# KiCad board DG Nova CPU Tester.kicad_pcb (continued)
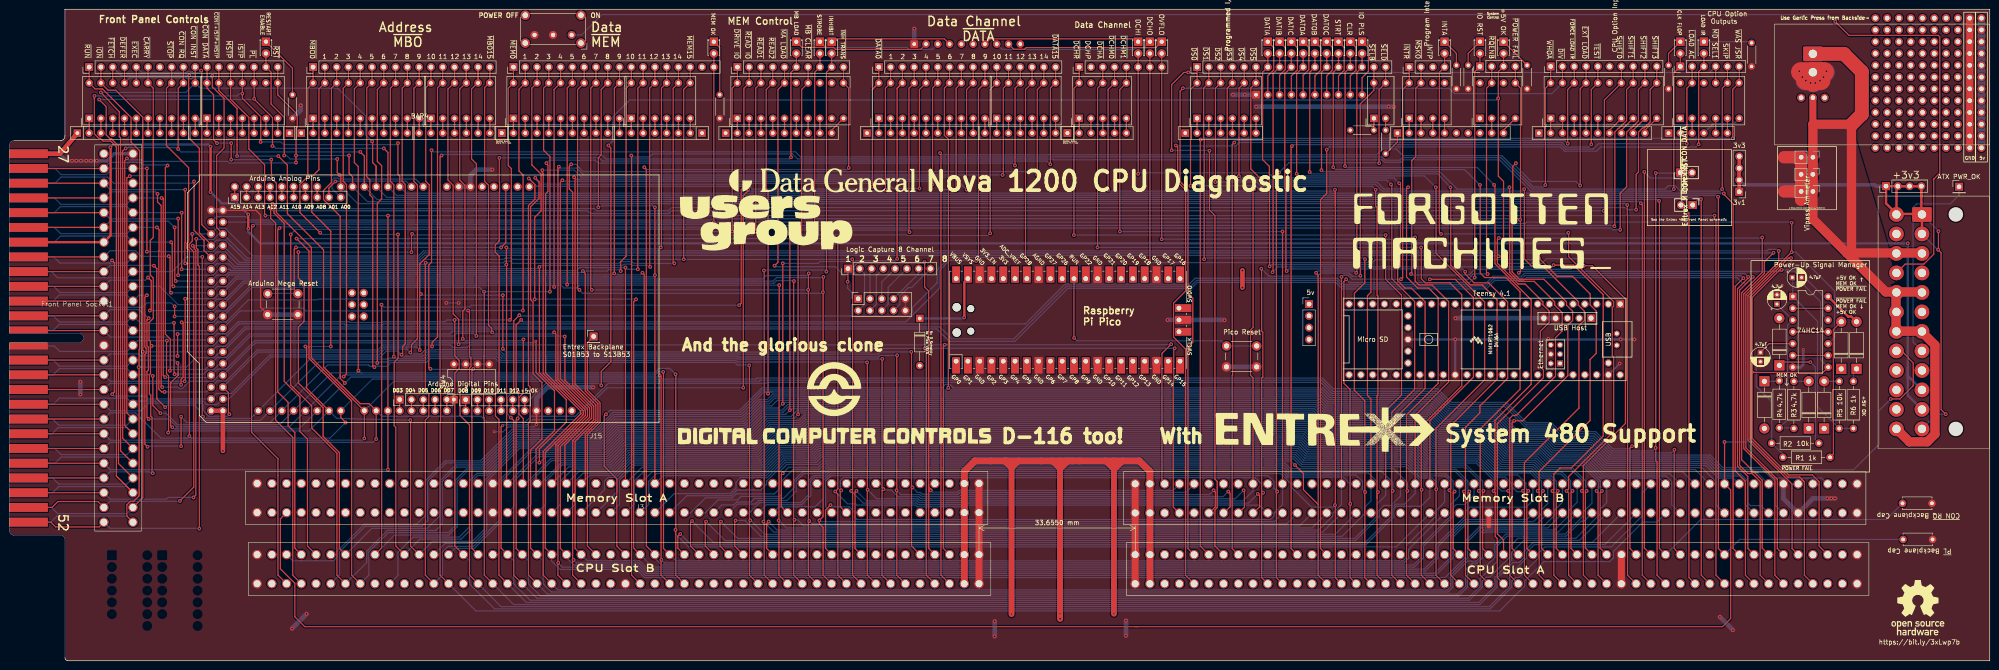
[diagram p0: board, top side]
## Routing (per net, layer and track width the routed paths; a pad name or vN(x,y) marks a point on that pad's centre or on a via; arc(x,y) is an arc through that point) (continued)
  Bottom w0.25: 379.16,38.02 376.49,40.7 368.87,40.7 366.16,43.41 344.61,43.41 340.97,47.05 333.4,47.05 331.42,49.02 324.35,49.02 320.44,52.93 309.65,52.93 306.79,55.8 284.17,55.8 282.52,57.45 164.53,57.45 163.33,56.24 161.58,56.24 157.92,52.58 130.43,52.58 126.79,48.95 108.72,48.95 101.95,42.18 96.25,42.18 92.83,38.76 92.83,31.28 90.06,28.51 78.11,28.51 J3.87 ; v1(86.68,88.01) v1(62.3,88.01) ; v1(86.81,91.95) 87.02,91.73 160.12,91.73 v1(160.85,92.46)
~{READ2}: length 424.7
  Top w0.25: v1(163.51,57.53) 163.51,101.31 163.12,101.71 163.12,123.05 BAR7.17 J18.4
  Bottom w0.25: 164.4,57.9 163.88,57.9 v1(163.51,57.53) 163.15,57.9 162.88,57.9 ; 164.4,57.9 162.88,57.9 ; 164.4,57.9 282.71,57.9 284.36,56.25 306.97,56.25 309.84,53.38 320.62,53.38 324.53,49.47 331.61,49.47 333.59,47.5 341.16,47.5 344.79,43.86 366.35,43.86 369.06,41.14 377.91,41.14 380.49,38.57 380.49,33.6 382.33,31.75 ; 162.88,57.9 162.6,57.9 157.73,53.03 130.24,53.03 126.61,49.4 108.54,49.4 101.77,42.63 94.16,42.63 90.18,38.65 90.18,30.23 88.92,28.96 76.69,28.96 71.13,23.41 71.13,18.44 J3.90
~{READ IO}: length 505.2
  Top w0.25: v1(157.29,76.58) 157.73,77.02 157.73,101.53 158.31,102.11 158.31,123.32 BAR7.19 J18.2 ; J3.83 80.25,24.3 80.25,76.66 v1(80.2,76.71) 80.25,76.75
  Bottom w0.25: v1(157.29,76.58) 99.59,76.58 99.17,76.16 80.75,76.16 v1(80.2,76.71) ; 372.81,38.02 371.49,39.34 368.3,39.34 365.58,42.06 344.05,42.06 340.41,45.7 332.84,45.7 330.86,47.67 323.79,47.67 319.88,51.58 309.1,51.58 306.23,54.45 283.61,54.45 281.96,56.1 165.51,56.1 164.3,54.89 162.14,54.89 158.38,51.13 130.88,51.13 127.35,47.6 109.28,47.6 102.51,40.83 98.71,40.83 96.53,38.65 96.53,28.88 94.72,27.07 83.02,27.07 J3.83
~{RQENB}: length 289.3
  Top w0.25: J3.41 144.08,24.26 144.08,26.79 v1(144.59,27.31) ; v1(318.58,83.31) 318.34,83.55 318.34,123.34 BAR14.19 J14.2 ; v1(306.13,82.17) 311.6,82.17 315.53,78.23 315.53,61.09 306.13,51.69 306.13,38.02
  Bottom w0.25: 306.13,38.02 306.13,35.18 304.23,33.27 298.85,33.27 298.38,32.81 298.38,31.01 292.36,24.99 146.91,24.99 v1(144.59,27.31) ; 318.45,83.31 v1(318.58,83.31) 315.52,83.31 314.38,82.17 v1(306.13,82.17)
~{RST}: length 524.3
  Top w0.25: 74.36,102.49 73.98,102.11 73.98,104.27 73.22,105.03 v1(73.22,108.84) 73.22,108.71 ; 61.8,108.82 v1(61.79,108.84) ; v1(61.79,108.84) v1(61.79,107.31) ; v1(61.79,108.84) 61.8,108.86 61.8,114.61 62.05,114.86 62.05,117.72 57.85,121.92 BAR2.14 J9.17 ; v1(25.34,108.2) 24.88,107.75 24.88,50.67 Front Panel Socket1.20 ; v1(351.6,98.55) 351.91,98.24 351.91,18.43 J2.30
  Bottom w0.25: v1(73.22,108.84) v1(61.79,108.84) ; J5.20 9.21,48.89 10.53,50.22 25.33,50.22 Front Panel Socket1.20 ; v1(25.34,108.2) 25.65,107.9 28.44,107.9 28.77,107.57 47.17,107.57 47.52,107.22 61.7,107.22 v1(61.79,107.31) ; 73.98,102.11 77.18,98.91 351.24,98.91 v1(351.6,98.55)
~{RUN}: length 560.1
  Top w0.25: J2.14 377.31,18.43 377.31,38.61 375.59,40.32 374.65,40.32 372.88,42.1 372.88,79.82 375.73,82.67 v1(375.73,82.68) ; Front Panel Socket1.26 25.33,31.17 25.33,33.57 26.11,34.34 26.79,34.34 27.98,35.53 27.98,63.14 v1(27.88,63.25) 27.98,63.35 27.98,67.06 28.09,67.17 28.09,109.86 26.24,111.7 26.24,117.02 20.07,123.19 18.48,123.19 BAR1.20 J9.1
  Bottom w0.25: Front Panel Socket1.26 25.33,31.17 10.28,31.17 8.96,29.84 J5.26 ; v1(27.88,63.25) 38.16,63.25 40.2,65.28 44.13,65.28 45.4,66.55 46.04,66.55 50.95,71.46 199.89,71.46 202.55,68.81 216.7,68.81 228.13,80.23 254.8,80.23 256.06,81.49 285.86,81.49 287.25,80.09 318.29,80.09 320.13,81.94 326.38,81.94 326.96,82.53 372.32,82.53 373.57,81.28 374.34,81.28 375.73,82.67 v1(375.73,82.68) 375.73,82.8
~{SELB}: length 239.2
  Top w0.25: 179.08,36.89 v1(179.26,36.7) 179.08,36.52 179.08,33.16 180.41,31.83 ; v1(291.15,82.93) 291.15,119.95 294.07,122.87 BAR12.20 J10.16 ; 269.88,84.53 v1(269.81,84.45) 269.88,84.38 269.88,71.06 270.13,70.81 270.13,61.11 269.88,60.86 269.88,36.5 v1(270.19,36.2) 269.88,35.89 269.88,17.91 J2.82
  Bottom w0.25: v1(269.81,84.45) 271.43,82.84 281.92,82.84 282.6,83.51 288.74,83.51 289.41,82.84 291.06,82.84 v1(291.15,82.93) ; v1(270.19,36.2) 269.88,36.5 269.88,38.04 268.5,39.42 179.86,39.42 179.08,38.65 179.08,36.89 v1(179.26,36.7)
~{SELD}: length 242.3
  Top w0.25: 295.19,107.17 v1(295.21,107.19) 295.19,107.21 295.19,123.05 BAR12.19 J10.17 ; J2.80 273.06,17.91 273.06,36.27 v1(273.24,36.45) 273.06,36.63 273.06,104.59 v1(273.62,105.16)
  Bottom w0.25: 295.09,107.19 295,107.28 275.75,107.28 v1(273.62,105.16) ; 175.91,38.65 175.91,33.16 177.23,31.83 ; 175.91,38.65 177.14,39.88 271.22,39.88 272.54,38.57 272.54,37.16 v1(273.24,36.45) ; 175.91,38.65 177.06,39.8
~{SHIFT0}: length 404.2
  Top w0.25: v1(56.33,97.41) 56.33,95.3 57.39,94.23 57.39,51.83 61.08,48.13 61.08,18.44 J3.94 ; v1(343.6,96.9) 343.75,97.05 343.75,120.8 BAR15.14 J11.7
  Bottom w0.25: v1(343.6,96.9) 343.56,96.94 142.72,96.94 142.12,96.34 125.25,96.34 124.65,96.94 56.8,96.94 v1(56.33,97.41)
~{SHIFT1}: length 410.2
  Top w0.25: v1(52.52,93.73) 52.22,93.44 52.22,49.19 57.91,43.51 57.91,18.44 J3.96 ; v1(345.89,93.6) 346,93.71 346,113.92 346.76,114.68 346.84,114.68 348.54,116.37 348.54,123.05 BAR15.13 J11.8
  Bottom w0.25: v1(345.89,93.6) 345.72,93.76 151.53,93.76 151.25,94.04 52.83,94.04 v1(52.52,93.73)
~{SHIFT2}: length 399.4
  Top w0.25: v1(58.23,93.22) 57.85,92.84 57.85,57.91 60.09,55.67 60.09,50.59 61.53,49.15 61.53,24.26 J3.93 ; J11.9 BAR15.12 351.07,123.05 351.07,116.3 349.57,114.79 349.48,114.79 348.55,113.86 348.55,102.11 347.16,100.71 v1(347.16,92.84)
  Bottom w0.25: v1(347.16,92.84) 345.62,92.84 345.24,93.22 150.88,93.22 150.69,93.41 76.86,93.38 73.31,93.38 73.22,93.47 58.48,93.47 v1(58.23,93.22)
~{SHIFT3}: length 407.4
  Top w0.25: 56.71,98.3 v1(56.71,98.43) 57.05,97.95 57.05,96.43 59.25,94.23 59.25,60.2 62.63,56.81 62.63,49.38 64.25,47.75 64.25,24.71 J3.91 ; v1(350.58,97.16) 350.58,104.78 351.09,105.28 351.09,113.86 352.02,114.79 352.34,114.79 353.62,116.06 353.62,123.05 BAR15.11 J11.10
  Bottom w0.25: v1(56.71,98.43) 57.74,97.39 126.19,97.39 126.64,96.94 142.09,96.94 142.77,97.63 348.2,97.63 348.67,97.16 v1(350.58,97.16)
~{SKIP}: length 407.5
  Top w0.25: v1(90.74,62.86) 90.4,63.21 90.4,85.25 91,85.85 v1(91,109.98) ; v1(100.01,62.86) 99.7,62.56 99.7,57.95 99.68,57.93 99.68,52.48 99.7,52.45 99.7,24.19 J3.69 ; v1(369.13,101.6) 369.14,101.62 369.14,123.34 BAR16.16 J17.5
  Bottom w0.25: v1(91,109.98) 91.35,109.63 169.4,109.63 170.5,108.54 295.84,108.54 296.56,107.82 299.69,107.82 300.23,108.36 321.47,108.36 328.22,101.61 356.81,101.61 357.52,102.33 359.01,102.33 360.18,101.16 368.69,101.16 v1(369.13,101.6) ; v1(100.01,62.86) 99.91,62.76 90.85,62.76 v1(90.74,62.86)
~{STOP}: length 471.7
  Top w0.25: J9.8 BAR1.13 33.86,123.34 33.86,110.98 38.64,106.21 38.64,90.25 38.31,89.92 38.31,88.9 38.8,88.41 v1(38.8,48.39) ; v1(349.7,46.23) 349.26,45.79 349.26,24.18 J2.31 ; v1(72.45,51.31) 71.44,52.45 71.44,53.85 ; 20.38,52.07 4.15,52.07
  Bottom w0.25: 37.66,47.95 39.43,47.95 ; 37.66,47.95 32.65,47.95 27.2,53.39 21.71,53.39 20.38,52.07 ; 37.66,47.95 38.36,47.95 v1(38.8,48.39) 39.24,47.95 39.43,47.95 ; 39.43,47.95 69.09,47.95 v1(72.45,51.31) ; 160.97,60.67 78.26,60.67 71.44,53.85 ; v1(349.7,46.23) 349.13,45.66 345.57,45.66 341.87,49.35 334.27,49.35 332.36,51.27 327.01,51.27 322.62,55.66 310.74,55.66 307.79,58.61 285.24,58.61 282.98,60.88 161.14,60.88 160.97,60.71
~{TEST}: length 206.1
  Top w0.25: J2.92 253.49,18.43 253.49,67.11 250.9,69.7 250.9,77.04 253.49,79.63 253.49,101.4 253.49,101.4 251.78,103.11 251.78,110.62 v1(251.4,111) ; J11.5 BAR15.16 340.92,123.05 340.92,111.27 v1(340.93,111.25)
  Bottom w0.25: v1(251.4,111) 251.49,110.91 264.27,110.91 264.86,111.5 264.86,111.51 264.99,111.64 334.57,111.64 335.55,110.65 340.33,110.65 v1(340.93,111.25)
~{WAS JSR}: length 221.1
  Top w0.25: J2.89 256.66,24.7 256.66,112.2 v1(256.73,112.27) ; v1(371.41,112.52) 371.41,123.11 BAR16.15 372.81,124.5 J17.6
  Bottom w0.25: v1(371.41,112.52) 371.39,112.54 257,112.54 v1(256.73,112.27)
~{WHOA}: length 254.3
  Top w0.25: J3.6 200.78,18.44 200.78,109.16 v1(200.6,109.35) ; J11.1 BAR15.20 331.05,123.34 331.05,102.51 v1(331.03,102.49)
  Bottom w0.25: v1(200.6,109.35) 200.96,108.99 294.73,108.99 295.98,110.25 298.86,110.25 300.29,108.81 321.66,108.81 328.41,102.06 330.6,102.06 v1(331.03,102.49)
Net-(BAR12-Pad1): length 2.5
  Top w0.25: BAR12.1 R10.2
Net-(BAR12-Pad2): length 2.5
  Top w0.25: BAR12.2 R9.2
Net-(C3-Pad1): length 33.7
  Top w0.25: U1.5 379.26,68.3 C3.1
  Bottom w0.25: R1.2 382.21,44.45 R2.1 379.8,55.78 376.62,58.96 ; C3.1 376.46,65.5 376.46,59.12 377.02,58.56
Net-(C4-Pad1): length 32.5
  Bottom w0.25: R3.2 384.45,50.17 R4.1 383.22,51.94 383.22,72.26 U1.3 380.94,76.78 C4.1
Net-(C5-Pad1): length 39.9
  Top w0.25: 384.29,78.51 U1.1
  Bottom w0.25: R6.1 R5.2 389.67,54.72 389.67,73.13 U1.1 ; 384.29,78.51 U1.1 ; U1.1 384.34,82.45 C5.1
Net-(D1-A): length 30.2
  Top w0.25: R1.1 393.09,44.53 393.09,71.33 D1.2
Net-(D2-K): length 25.2
  Top w0.25: D2.1 382.16,64.35 388.1,64.35 v1(388.14,64.31)
  Bottom w0.25: v1(388.14,64.31) 389.22,63.22 389.22,47.6 389.95,46.86
Net-(D3-A): length 3.2
  Bottom w0.25: R3.1 387.8,60.2
Net-(D4-K): length 3.3
  Bottom w0.25: R4.2 381.32,60.2 D4.1
Net-(D5-A): length 3.3
  Bottom w0.25: 391.1,60.2 R5.1
Net-(D6-K): length 2.9
  Bottom w0.25: 397.41,60.2 397.41,62.19 D6.1
Net-(D7-K): length 13.8
  Top w0.25: R7.2 61.02,127.63 D7.1
Net-(D8-K): length 12
  Top w0.25: D8.1 153.1,132.08 R8.2
Net-(D9-K): length 29.1
  Top w0.25: RN11.2 196.41,131.7 178.07,131.7 177.65,132.12 170.84,132.12 D9.1
Net-(D10-K): length 26.5
  Bottom w0.25: D10.1 176,132.03 193.57,132.03 193.89,131.72 198.97,131.72 RN11.3
Net-(D11-K): length 26.1
  Top w0.25: RN11.4 201.51,133.97 177.85,133.97 D11.1
Net-(D12-K): length 12.5
  Top w0.25: D12.1 272.48,132.08 272.48,127.25 271.21,125.99 RN14.2
Net-(D13-K): length 33.7
  Top w0.25: D13.1 242.65,133.97 211.38,133.97 RN11.7
Net-(D14-K): length 34.2
  Bottom w0.25: D14.1 244.54,132.08 242.81,132.08 242.44,131.72 213.92,131.72 RN11.8
Net-(D15-K): length 34.2
  Top w0.25: D15.1 247.08,132.08 219.15,132.08 218.78,131.71 216.47,131.71 RN11.9
Net-(D16-K): length 12.4
  Top w0.25: RN14.3 273.75,126.11 274.98,127.34 274.98,132.12 D16.1
Net-(D17-K): length 12.5
  Top w0.25: RN14.4 276.29,125.99 277.61,127.3 277.61,132.03 D17.1
Net-(D18-K): length 12.4
  Top w0.25: D18.1 285.14,132.12 285.14,127.21 283.91,125.99 RN14.7
Net-(D19-K): length 12.4
  Top w0.25: D19.1 287.68,132.12 287.68,127.21 286.45,125.99 RN14.8
Net-(D20-K): length 12.4
  Top w0.25: RN14.9 288.99,125.99 290.21,127.21 290.21,132.12 D20.1
Net-(D21-K): length 12.4
  Top w0.25: D21.1 280.06,132.12 280.06,127.34 278.83,126.11 RN14.5
Net-(D22-K): length 12.4
  Top w0.25: D22.1 282.59,132.12 282.59,127.21 281.37,125.99 RN14.6
Net-(D23-K): length 12.6
  Top w0.25: RN14.10 291.53,125.6 292.89,126.97 292.89,131.99 D23.1
Net-(D24-K): length 7.2
  Top w0.25: D24.1 327.09,128.27
Net-(D25-K): length 6.1
  Top w0.25: 311.85,128.27 311.85,130.81 D25.1
Net-(D26-K): length 6.1
  Top w0.25: 314.39,128.27 314.39,130.81 D26.1
Net-(D27-K): length 10.4
  Bottom w0.25: R13.2 375.22,133.35 D27.1
Net-(D28-K): length 6.1
  Top w0.25: D28.1 357.57,130.81 357.57,128.27
Net-(D29-K): length 18.4
  Top w0.25: U2.39 205.81,81.53
  Top w0.5: 205.81,81.53 205.81,73.97 v1(205.78,73.95) 205.81,73.92
  Bottom w0.5: D29.1 205.57,73.73 v1(205.78,73.95)
Net-(J21-Pin_1): length 2.3
  Top w0.25: 48.58,102.11 J21.1
Net-(J21-Pin_2): length 2.3
  Top w0.25: 51.12,102.11 J21.2
Net-(J21-Pin_3): length 2.3
  Top w0.25: 53.66,102.11 J21.3
Net-(J21-Pin_4): length 2.3
  Top w0.25: 56.2,102.11 J21.4
Net-(J21-Pin_5): length 2.3
  Top w0.25: 58.74,102.11 J21.5
Net-(J21-Pin_6): length 2.3
  Top w0.25: 61.28,102.11 J21.6
Net-(J21-Pin_7): length 2.3
  Top w0.25: 63.82,102.11 J21.7
Net-(J21-Pin_8): length 2.3
  Top w0.25: 66.36,102.11 J21.8
Net-(J21-Pin_9): length 21.1
  Top w0.25: v1(70.3,103.25) 68.9,101.85 J21.9
  Bottom w0.25: 70.47,103.3 70.42,103.3 v1(70.3,103.25) 70.51,103.3 85.49,103.3 86.68,102.11
Net-(J21-Pin_10): length 25.1
  Bottom w0.25: 89.22,102.11 87.57,103.76 71.06,103.76 70.84,103.98 70,103.98 69.53,103.51 69.53,101.73 J21.10
Net-(RN1-R1): length 3.2
  Top w0.25: BAR1.1 RN1.2
Net-(RN1-R2): length 3.2
  Top w0.25: BAR1.2 RN1.3
Net-(RN1-R3): length 3.2
  Top w0.25: BAR1.3 RN1.4
Net-(RN1-R4): length 3.2
  Top w0.25: BAR1.4 RN1.5
Net-(RN1-R5): length 3.2
  Top w0.25: BAR1.5 RN1.6
Net-(RN1-R6): length 3.2
  Top w0.25: BAR1.6 RN1.7
Net-(RN1-R7): length 3.2
  Top w0.25: BAR1.7 RN1.8
Net-(RN1-R8): length 3.2
  Top w0.25: BAR1.8 RN1.9
Net-(RN1-R9): length 3.2
  Top w0.25: BAR1.9 RN1.10
Net-(RN2-R1): length 3.2
  Top w0.25: BAR2.7 RN2.2
Net-(RN2-R2): length 3.2
  Top w0.25: BAR2.6 RN2.3
Net-(RN2-R3): length 3.2
  Top w0.25: BAR2.5 RN2.4
Net-(RN2-R4): length 3.2
  Top w0.25: BAR2.4 RN2.5
Net-(RN2-R5): length 3.2
  Top w0.25: BAR2.3 RN2.6
Net-(RN2-R6): length 3.2
  Top w0.25: BAR2.2 RN2.7
Net-(RN2-R7): length 3.2
  Top w0.25: BAR2.1 RN2.8
Net-(RN2-R8): length 3.2
  Top w0.25: BAR1.10 RN2.9
Net-(RN3-R1): length 3.2
  Top w0.25: BAR3.1 RN3.2
Net-(RN3-R2): length 3.2
  Top w0.25: BAR3.2 RN3.3
Net-(RN3-R3): length 3.2
  Top w0.25: BAR3.3 RN3.4
Net-(RN3-R4): length 3.2
  Top w0.25: BAR3.4 RN3.5
Net-(RN3-R5): length 3.2
  Top w0.25: BAR3.5 RN3.6
Net-(RN3-R6): length 3.2
  Top w0.25: BAR3.6 RN3.7
Net-(RN3-R7): length 3.2
  Top w0.25: BAR3.7 RN3.8
Net-(RN3-R8): length 3.2
  Top w0.25: BAR3.8 RN3.9
Net-(RN3-R9): length 3.2
  Top w0.25: BAR3.9 RN3.10
Net-(RN4-R1): length 3.2
  Top w0.25: BAR4.6 RN4.2
Net-(RN4-R2): length 3.3
  Top w0.25: 101.03,116.95 RN4.3
Net-(RN4-R3): length 3.3
  Top w0.25: 98.49,116.95 RN4.4
Net-(RN4-R4): length 3.3
  Top w0.25: 95.95,116.95 RN4.5
Net-(RN4-R5): length 3.3
  Top w0.25: 93.41,116.95 RN4.6
Net-(RN4-R6): length 3.3
  Top w0.25: 90.87,116.95 RN4.7
Net-(RN4-R7): length 3.2
  Top w0.25: BAR3.10 RN4.8
Net-(RN5-R1): length 3.2
  Top w0.25: BAR5.1 RN5.2
Net-(RN5-R2): length 3.2
  Top w0.25: BAR5.2 RN5.3
Net-(RN5-R3): length 3.2
  Top w0.25: BAR5.3 RN5.4
Net-(RN5-R4): length 3.2
  Top w0.25: BAR5.4 RN5.5
Net-(RN5-R5): length 3.2
  Top w0.25: BAR5.5 RN5.6
Net-(RN5-R6): length 3.2
  Top w0.25: BAR5.6 RN5.7
Net-(RN5-R7): length 3.2
  Top w0.25: BAR5.7 RN5.8
Net-(RN5-R8): length 3.2
  Top w0.25: BAR5.8 RN5.9
Net-(RN5-R9): length 3.2
  Top w0.25: BAR5.9 RN5.10
Net-(RN6-R1): length 3.2
  Top w0.25: BAR6.6 RN6.2
Net-(RN6-R2): length 3.2
  Top w0.25: BAR6.5 RN6.3
Net-(RN6-R3): length 3.2
  Top w0.25: BAR6.4 RN6.4
Net-(RN6-R4): length 3.2
  Top w0.25: BAR6.3 RN6.5
Net-(RN6-R5): length 3.2
  Top w0.25: BAR6.2 RN6.6
Net-(RN6-R6): length 3.2
  Top w0.25: BAR6.1 RN6.7
Net-(RN6-R7): length 3.2
  Top w0.25: BAR5.10 RN6.8
Net-(RN7-R1): length 3.2
  Top w0.25: BAR7.1 RN7.2
Net-(RN7-R2): length 3.2
  Top w0.25: BAR7.2 RN7.3
Net-(RN7-R3): length 3.2
  Top w0.25: BAR7.3 RN7.4
Net-(RN7-R4): length 3.2
  Top w0.25: BAR7.4 RN7.5
Net-(RN7-R5): length 3.2
  Top w0.25: BAR7.5 RN7.6
Net-(RN7-R6): length 3.2
  Top w0.25: BAR7.6 RN7.7
Net-(RN7-R7): length 3.2
  Top w0.25: BAR7.7 RN7.8
Net-(RN7-R8): length 3.2
  Top w0.25: BAR7.8 RN7.9
Net-(RN7-R9): length 4.2
  Top w0.25: BAR7.10 177.23,114.3 RN7.10
Net-(RN8-R1): length 3.2
  Top w0.25: BAR8.1 RN8.2
Net-(RN8-R2): length 3.2
  Top w0.25: BAR8.2 RN8.3
Net-(RN8-R3): length 3.2
  Top w0.25: BAR8.3 RN8.4
Net-(RN8-R4): length 3.2
  Top w0.25: BAR8.4 RN8.5
Net-(RN8-R5): length 3.2
  Top w0.25: BAR8.5 RN8.6
Net-(RN8-R6): length 3.2
  Top w0.25: BAR8.6 RN8.7
Net-(RN8-R7): length 3.2
  Top w0.25: BAR8.7 RN8.8
Net-(RN8-R8): length 3.2
  Top w0.25: BAR8.8 RN8.9
Net-(RN8-R9): length 3.2
  Top w0.25: BAR8.9 RN8.10
Net-(RN9-R1): length 3.2
  Top w0.25: BAR9.6 RN9.2
Net-(RN9-R2): length 3.2
  Top w0.25: BAR9.5 RN9.3
Net-(RN9-R3): length 3.2
  Top w0.25: BAR9.4 RN9.4
Net-(RN9-R4): length 3.2
  Top w0.25: BAR9.3 RN9.5
Net-(RN9-R5): length 3.2
  Top w0.25: BAR9.2 RN9.6
Net-(RN9-R6): length 3.2
  Top w0.25: BAR9.1 RN9.7
Net-(RN9-R7): length 3.2
  Top w0.25: BAR8.10 RN9.8
Net-(RN10-R1): length 3.2
  Top w0.25: BAR11.1 RN10.2
Net-(RN10-R2): length 3.2
  Top w0.25: BAR11.2 RN10.3
Net-(RN10-R3): length 3.2
  Top w0.25: BAR11.3 RN10.4
Net-(RN10-R4): length 3.2
  Top w0.25: BAR11.4 RN10.5
Net-(RN10-R5): length 3.2
  Top w0.25: BAR11.5 RN10.6
Net-(RN12-R1): length 3.2
  Top w0.25: BAR10.1 RN12.2
Net-(RN12-R2): length 3.2
  Top w0.25: BAR10.2 RN12.3
Net-(RN12-R3): length 3.2
  Top w0.25: BAR10.3 RN12.4
Net-(RN12-R4): length 3.2
  Top w0.25: BAR10.4 RN12.5
Net-(RN12-R5): length 3.2
  Top w0.25: BAR10.5 RN12.6
Net-(RN12-R6): length 3.2
  Top w0.25: BAR10.6 RN12.7
Net-(RN13-R1): length 3.2
  Top w0.25: BAR13.1 RN13.2
Net-(RN13-R2): length 3.2
  Top w0.25: BAR13.2 RN13.3
Net-(RN13-R3): length 3.2
  Top w0.25: BAR13.3 RN13.4
Net-(RN13-R4): length 3.2
  Top w0.25: BAR13.4 RN13.5
Net-(RN13-R8): length 3.2
  Top w0.25: BAR14.2 RN13.9
Net-(RN13-R9): length 4.2
  Top w0.25: BAR14.4 322.01,114.3 RN13.10
Net-(RN15-R1): length 3.2
  Top w0.25: BAR15.1 RN15.2
Net-(RN15-R2): length 3.2
  Top w0.25: BAR15.2 RN15.3
Net-(RN15-R3): length 3.2
  Top w0.25: BAR15.3 RN15.4
Net-(RN15-R4): length 3.2
  Top w0.25: BAR15.4 RN15.5
Net-(RN15-R5): length 3.2
  Top w0.25: BAR15.5 RN15.6
Net-(RN15-R6): length 4.2
  Top w0.25: RN15.7 344.87,114.3 BAR15.7
Net-(RN15-R7): length 4.2
  Top w0.25: RN15.8 347.41,114.3 BAR15.8
Net-(RN15-R8): length 4.2
  Top w0.25: RN15.9 349.95,114.3 BAR15.9
Net-(RN15-R9): length 4.2
  Top w0.25: RN15.10 352.49,114.3 BAR15.10
Net-(RN16-R2): length 3.2
  Top w0.25: BAR16.2 RN16.3
Net-(RN16-R3): length 8.9
  Bottom w0.25: BAR16.6 371.69,115.72 367.24,115.72 RN16.4
Net-(RN16-R4): length 3.2
  Top w0.25: BAR16.4 RN16.5
Net-(RN16-R5): length 3.2
  Top w0.25: BAR16.5 RN16.6
Net-(U1-Pad6): length 7.6
  Top w0.25: U1.9 U1.6
Net-(U1-Pad11): length 7.6
  Top w0.25: U1.11 U1.4
Net-(U1-Pad13): length 7.6
  Top w0.25: U1.13 U1.2
Net-(U2-RUN): length 52.9
  Top w0.25: v1(229.48,69.53) 229.44,69.57 U2.30
  Bottom w0.25: SW3.2 SW3.2 261.19,68.92 230.09,68.92 v1(229.48,69.53) 229.46,69.56
Net-(XA1-RESET): length 74.7
  Top w0.25: 107,102.11 107,90.04 v1(105.98,89.03) ; 62.19,79.12 61.41,79.91 61.41,88.65 v1(61.79,89.03)
  Bottom w0.25: 106.11,89.03 v1(105.98,89.03) v1(61.79,89.03) ; 55.69,79.12 62.19,79.12

## Copper pours and planes (outline as drawn; the poured copper is in the pictures)
+5V on Bottom: -1.71,146.94 -1.71,-25.15 438.34,-26.54 435.55,145.8
GND on Top: -1.71,146.94 -1.71,-25.15 438.47,-26.67 435.55,145.8
GND After Meter on Top: 388.81,115.57 396.94,115.57 405.32,88.01 406.72,79.12 403.16,79.38 388.43,95.25

## Text on the board
B.Silkscreen: Resistor Blocks / Share Pin 1 Hole | See the Entrex 480 Front Panel schematic | System / Control | GND | 5v | ~{CONT+ISTP+MSTP} | ~{FORCE LOAD IR} | CLK FLOP | LOAD IR | RESTART / ENABLE | MEM OK | MB LOAD | STROBE | INHIBIT | ~{INH TRANS} | ~{RUN} | ~{ION} | ~{FETCH} | ~{DEFER} | ~{EXEC} | ~{CARRY} | ~{STOP} | ~{CON RQ} | ~{CON INST} | ~{CON DATA} | ~{MSTP} | ~{ISTP} | ~{PL} | ~{RST} | ~{MBO0} | ~{MBO15} | ~{MEM0} | ~{MEM15} | ~{DRIVE IO} | ~{READ IO} | ~{READ1} | ~{READ2} | ~{MA LOAD} | ~{MB CLEAR} | ~{DATA0} | ~{DATA15} | ~{DCHR} | ~{DCHA} | ~{DCHM0} | ~{DCHM1} | DCHI | DCHO | OVFLO | ~{DS0} | ~{DS1} | ~{DS2} | ~{DS3} | ~{DS4} | ~{DS5} | DATIA | DATIB | DATIC | DATOA | DATOB | DATOC | STRT | CLR | IO PLS | ~{SELB} | ~{SELD} | ~{INTR} | ~{MSKO} | INTA | IO RST | ~{RQENB} | +5V OK | ~{POWER FAIL} | ~{WHOA} | ~{DIV} | ~{EXT LOAD} | ~{TEST} | ~{SHIFT0} | ~{SHIFT1} | ~{SHIFT2} | ~{SHIFT3} | ~{LOAD AC} | ~{MD SEL1} | ~{SKIP} | ~{WAS JSR} | DCHP | INTP | Front Panel Socket | Entrex Backplane / S01B53 to S13B53 | Entrex ~{M CON INST} | Entrex ~{M CON DATA} | 3v3 | CPU Option / Outputs | https://bit.ly/3xLwp7b | ATX PWR_OK | Program Interrupt | CPU Option Inputs | 1 | 2 | 3 | 4 | 5 | 6 | 7 | 8 | 9 | 10 | 11 | 12 | 13 | 14 | Programmed I/O | Data Channel | +3v3 | MEM Control | Front Panel Controls | CPU Slot B | Memory Slot A | CPU Slot A | Memory Slot B | Address / ~{MBO} | Data Channel / ~{DATA} | Data / ~{MEM} | Garlic Press
User.Comments: consider putting silkscreen borders / for resistor blocks / on the backside as well
F.Silkscreen: or Bipass Ammeter, depending on your preference | Resistor Blocks / Share Pin 1 Hole | See the Entrex 480 Front Panel schematic | 5v D_Schottky / to Pico VSYS | System / Control | 4.7µF | GND | 5v | A15 A14 A13 A12 A11 A10 A09 A08 A01 A00 | ~{CONT+ISTP+MSTP} | +5V OK | +5vOK | MEM OK | ~{POWER FAIL} | +5V OK / MEM OK / ~{POWER FAIL} | ~{POWER FAIL} / MEM OK / +5V OK | ~{FORCE LOAD IR} | CLK FLOP | LOAD IR | Use Garlic Press from Backside→ | D03 D04 D05 D06 D07 | D08 D09 D10 D11 D12 | RESTART / ENABLE | MB LOAD | STROBE | INHIBIT | ~{INH TRANS} | Arduino Anolog Pins | 1 | 2 | 3 | 4 | 5 | 6 | 7 | 8 | 9 | 10 | Arduino Digital Pins | 11 | 12 | 13 | 14 | Entrex Backplane / S01B53 to S13B53 | Logic Capture 8 Channel | CPU Option / Outputs | Power-Up Signal Manager | ↑ | ↓ | https://bit.ly/3xLwp7b | ~{RUN} | ~{ION} | ~{FETCH} | ~{DEFER} | ~{EXEC} | ~{CARRY} | ~{STOP} | ~{CON RQ} | ~{CON INST} | ~{CON DATA} | ~{MSTP} | ~{ISTP} | ~{PL} | ~{RST} | ~{MBO0} | ~{MBO15} | ~{MEM0} | ~{MEM15} | ~{DRIVE IO} | ~{READ IO} | ~{READ1} | ~{READ2} | ~{MA LOAD} | ~{MB CLEAR} | ~{DATA0} | ~{DATA15} | ~{DCHR} | ~{DCHA} | ~{DCHM0} | ~{DCHM1} | DCHI | DCHO | OVFLO | ~{DS0} | ~{DS1} | ~{DS2} | ~{DS3} | ~{DS4} | ~{DS5} | DATIA | DATIB | DATIC | DATOA | DATOB | DATOC | STRT | CLR | IO PLS | ~{SELB} | ~{SELD} | ~{INTR} | ~{MSKO} | INTA | IO RST | ~{RQENB} | ~{WHOA} | ~{DIV} | ~{EXT LOAD} | ~{TEST} | ~{SHIFT0} | ~{SHIFT1} | ~{SHIFT2} | ~{SHIFT3} | ~{LOAD AC} | ~{MD SEL1} | ~{SKIP} | ~{WAS JSR} | DCHP | INTP | POWER OFF | ON | Data Channel | 1  2  3  4  5  6  7  8 | +3v3 | MEM Control | Front Panel Controls | Raspberry / Pi Pico | Memory Slot A | CPU Slot B | Memory Slot B | CPU Slot A | Address / ~{MBO} | Data / ~{MEM} | Data Channel / ~{DATA} | And the glorious clone | D-116 too! | With | System 480 Support | Nova 1200 CPU Diagnostic
